# KiCad board pcb.kicad_pcb (continued)
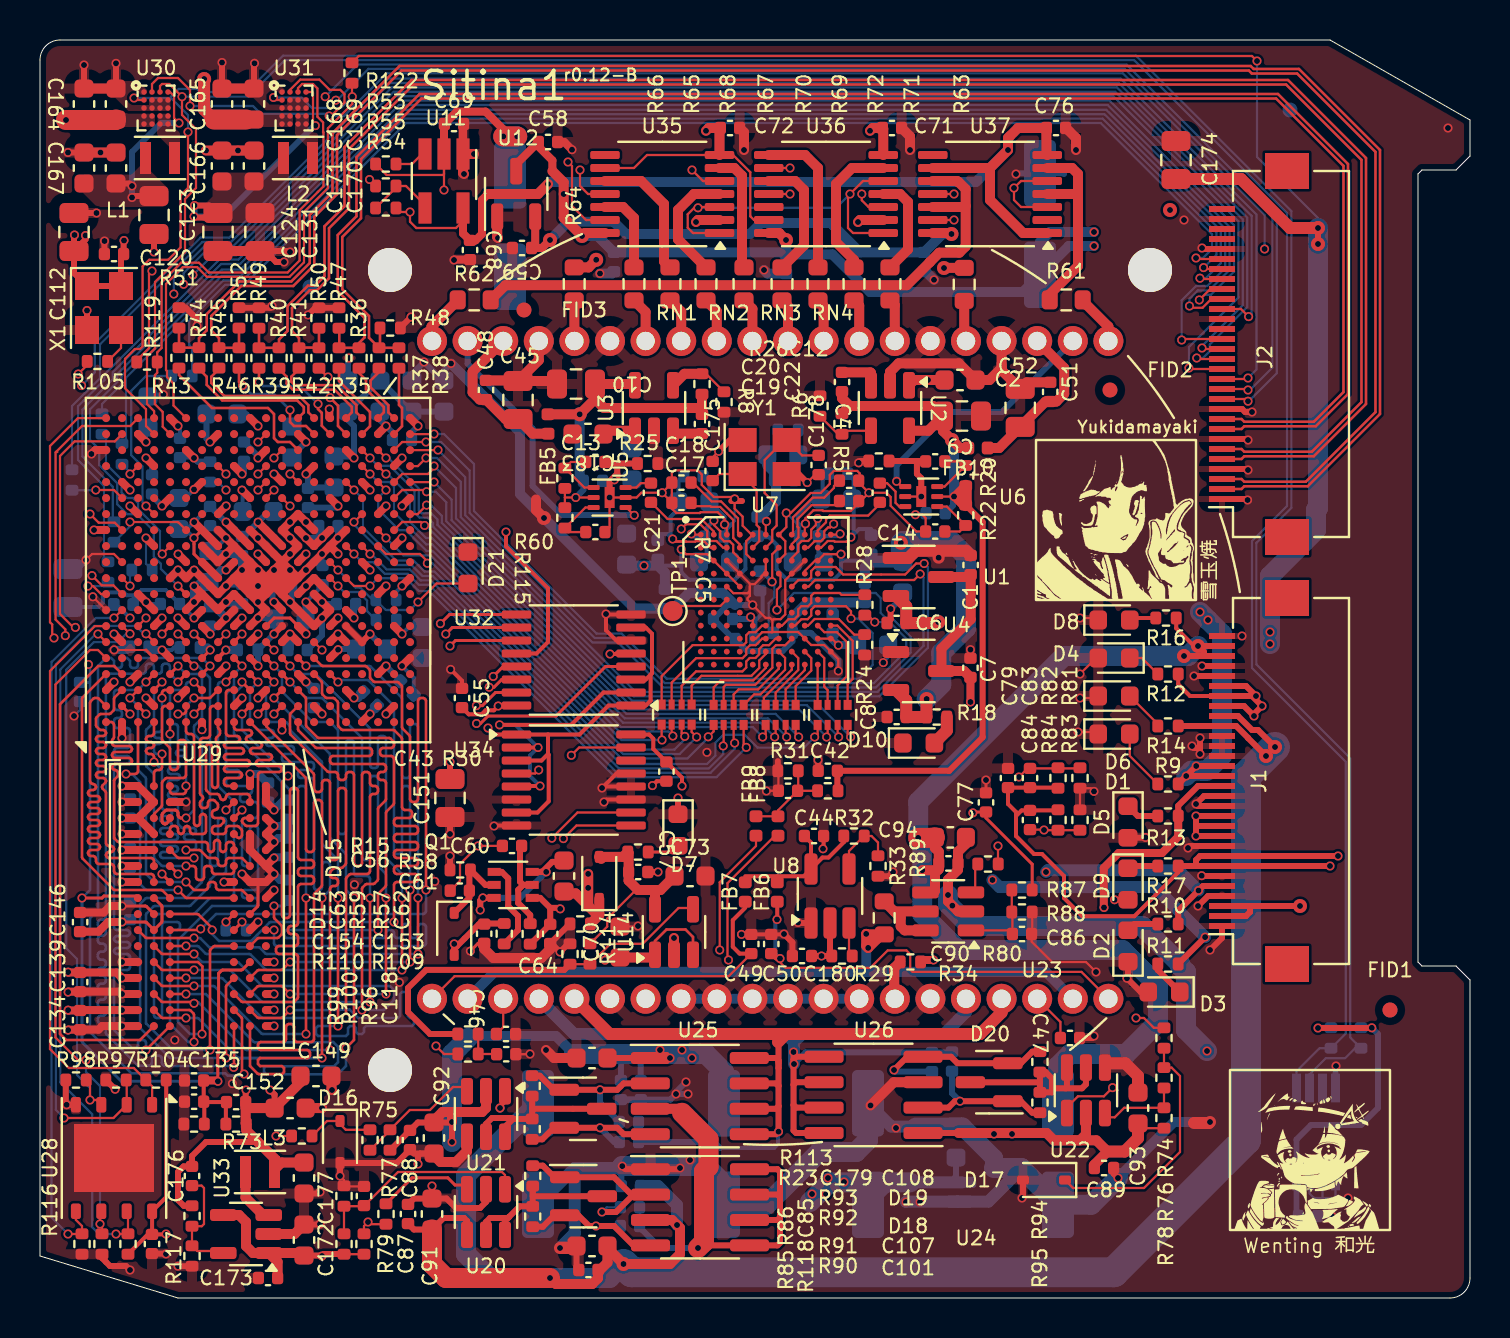
[diagram p0: board, top side]
## Routing (per net, layer and track width the routed paths; a pad name or vN(x,y) marks a point on that pad's centre or on a via; arc(x,y) is an arc through that point) (continued)
/fpga_ddr/DRAM_SDQSP_0: length 17.1
  Top w0.15: 6.5,21.6 v1(6.9,21.2) ; 4.9,29.6 v1(5.3,29.2)
  In2.Cu w0.127: v1(5.3,29.2) 5.04,28.94 arc(5.02,28.91) 5.01,28.87 5.01,22.59 arc(5.02,22.55) 5.04,22.52 5.12,22.44 arc(5.15,22.42) 5.19,22.41 5.4,22.41 arc(5.44,22.42) 5.48,22.44 5.56,22.52 arc(5.58,22.56) 5.59,22.6 5.59,25.41 arc(5.59,25.44) 5.61,25.48 5.82,25.69 arc(5.86,25.71) 5.89,25.71 6.31,25.71 arc(6.34,25.71) 6.38,25.69 6.59,25.48 arc(6.61,25.44) 6.61,25.41 6.61,21.53 arc(6.62,21.49) 6.64,21.46 v1(6.9,21.2)
/fpga_ddr/DRAM_SDQSP_1: length 6.8
  Top w0.127: 8.1,29.6 v1(7.7,29.2)
  Top w0.15: 9.7,24 v1(10.1,24.4)
  In2.Cu w0.127: v1(10.1,24.4) 9.84,24.66 arc(9.82,24.69) 9.81,24.73 9.81,24.79 arc(9.81,24.82) 9.8,24.84 7.43,28.75 arc(7.42,28.77) 7.41,28.8 7.41,28.87 arc(7.42,28.91) 7.44,28.94 v1(7.7,29.2)
/fpga_ddr/DRAM_WEB: length 34.1
  Top w0.127: v1(18.1,16.4) v1(18.1,20) ; 6.5,17.6 v1(7.3,17.6)
  Top w0.15: 12.1,32 v1(12.5,31.6)
  Bottom w0.127: v1(18.1,20) 18.1,21.16 arc(18.09,21.2) 18.07,21.23 17.33,21.97 arc(17.31,22) 17.3,22.04 17.3,27.96 arc(17.29,28) 17.27,28.03 17.23,28.07 arc(17.2,28.09) 17.16,28.1 17.04,28.1 arc(17,28.09) 16.97,28.07 16.93,28.03 arc(16.91,28) 16.9,27.96 16.9,26.64 arc(16.89,26.6) 16.87,26.57 16.83,26.53 arc(16.8,26.51) 16.76,26.5 16.64,26.5 arc(16.6,26.51) 16.57,26.53 16.53,26.57 arc(16.51,26.6) 16.5,26.64 16.5,28.48 13.78,31.2 12.94,31.2 arc(12.9,31.21) 12.87,31.23 v1(12.5,31.6) ; v1(7.3,17.6) 7.86,17.6 arc(7.9,17.59) 7.93,17.57 8.27,17.23 arc(8.3,17.21) 8.34,17.2 10.46,17.2 arc(10.5,17.19) 10.53,17.17 11.27,16.43 arc(11.3,16.41) 11.34,16.4 v1(18.1,16.4)
/fpga_io/PS_SRST_B: length 1.4
  Top w0.1: 4.1,36 v1(4.5,35.6)
  Bottom w0.11: v1(4.5,35.6) 4.5,36.31 R112.2
AFE_RST: length 36.8
  Top w0.11: v1(19.7,43.2) 19.7,43.2 U27.Y19 ; U7.H8 37.75,33.62 38.07,33.94 38.38,33.94 38.56,34.12 38.56,34.42 38.74,34.59 40.29,34.59 40.55,34.33 v1(40.55,33.97)
  Bottom w0.11: v1(40.55,33.97) 40.91,33.97 41.63,33.25 41.63,31.65 40.95,30.97 31.33,30.97 29.08,33.22 27.83,33.22 21.7,39.35 21.7,41.7 20.2,43.2 v1(19.7,43.2)
AFE_SCK: length 45.6
  Top w0.11: v1(19.7,41.6) 19.7,41.5 19.4,41.2 18.11,41.2 U27.W16 ; v1(44.21,36.73) 43.81,36.73 43.26,36.18 40.16,36.18 39.78,36.55 38.76,36.55 38.56,36.35 38.56,36.03 38.43,35.9 37.92,35.9 U7.E8
  Bottom w0.11: v1(44.21,36.73) 44.4,36.54 44.4,32.52 41.97,30.09 29.69,30.09 20.8,38.98 20.8,40.5 v1(19.7,41.6)
AFE_SDATA: length 42.4
  Top w0.11: U27.Y17 18.9,41.6 v1(19.3,42) ; v1(44.01,36.2) 43.71,35.9 38.76,35.9 38.43,35.57 U7.E9
  Bottom w0.11: v1(19.3,42) 19.85,42 21.04,40.81 21.04,39.05 29.78,30.31 41.88,30.31 44.18,32.61 44.18,36.03 v1(44.01,36.2)
AFE_SL: length 42.9
  Top w0.11: v1(19.9,42.4) 19.9,42.4 U27.Y18 ; v3(36.85,34.4) 36.85,35.41 37.02,35.59 37.02,36.14 U7.D7
  Bottom w0.11: v1(19.9,42.4) 21.26,41.04 21.26,39.14 27.62,32.78 28.9,32.78 31.15,30.53 41.79,30.53 43.53,32.27 43.53,33.06 42.58,34.02 42.27,34.02 42.03,34.26 42.03,35 41.78,35.25 37.69,35.25 v3(36.85,34.4)
CCDIN_L: length 12.7
  Top w0.11: v1(42.83,40.83) 43.09,40.57 U6.1
  Bottom w0.3: v1(42.83,40.83) 42.83,41.63 45.5,44.3 48.09,44.3 U10.19
CCDIN_R: length 14.9
  Top w0.11: v1(29.71,39.13) 29.32,39.52 U5.1
  Bottom w0.3: U10.2 21.38,46.72 24.63,43.47 24.63,40.6 26.08,39.15 29.7,39.15 v1(29.71,39.13)
CSI_D2: length 21.4
  Top w0.11: v1(31.1,27.9) 31.08,27.92 RN1.1 ; U27.V16 v1(17.3,40.4)
  Bottom w0.11: v1(17.3,40.4) 16.91,40.01 16.91,39.44 17.96,38.39 18.29,38.39 19.33,37.35 19.63,37.35 29.08,27.9 v1(31.1,27.9)
CSI_D3: length 22.5
  Top w0.11: RN1.2 31.58,28.16 v1(31.64,28.1) ; v1(16.5,41.2) U27.U17
  Bottom w0.11: 31.64,28.12 v1(31.64,28.1) 31.42,28.33 28.96,28.33 19.61,37.68 19.31,37.68 17.7,39.29 17.7,40.57 17.47,40.8 16.9,40.8 v1(16.5,41.2)
CSI_D4: length 21.4
  Top w0.11: U27.V12 17.3,37.2 19,37.2 19.37,36.83 v1(19.37,36.74) ; RN1.4 32.58,28.3 v1(32.83,28.05)
  Bottom w0.11: v1(32.83,28.05) 31.98,27.2 29.16,27.2 19.62,36.74 v1(19.37,36.74)
CSI_D5: length 25.8
  Top w0.11: U27.T16 v1(15.7,40.4) ; RN2.1 33.68,28.33 v1(33.41,28.06)
  Bottom w0.11: v1(15.7,40.4) 16.15,39.95 16.15,38.53 17.81,36.87 18.68,36.87 19.23,36.32 19.72,36.32 29.06,26.98 32.38,26.98 33.41,28.02 v1(33.41,28.06)
CSI_D6: length 25.9
  Top w0.11: v1(34.73,27.75) 34.68,27.8 RN2.3 ; 15.7,37.3 v1(15.7,37.2) U27.T12
  Bottom w0.11: v1(15.7,37.2) 16.11,36.79 16.66,36.79 17.24,36.21 18.39,36.21 18.94,35.66 19.45,35.66 28.85,26.26 33.53,26.26 34.73,27.46 v1(34.73,27.75)
CSI_D7: length 26.3
  Top w0.11: v1(35.31,27.53) 35.18,27.66 RN2.4 ; U27.T10 15.7,35.6 v1(16.5,35.6)
  Bottom w0.11: v1(35.31,27.53) 33.82,26.04 28.76,26.04 19.45,35.35 18.94,35.35 18.3,35.99 16.89,35.99 v1(16.5,35.6)
CSI_D8: length 20.9
  Top w0.11: U27.V13 v1(17.3,38) ; RN1.3 32.08,28.24 v1(32.24,28.08)
  Bottom w0.11: v1(32.24,28.08) 32.24,27.94 31.72,27.42 29.25,27.42 19.54,37.13 18.17,37.13 v1(17.3,38)
CSI_D9: length 36.1
  Top w0.11: 41.36,34.03 R28.2 41.39,34.14 v1(41.74,33.8) ; 19.2,42.8 v1(19.3,42.8) 18.11,42.8 U27.W18
  Bottom w0.11: v1(41.74,33.8) 42.49,33.8 43.31,32.97 43.31,32.36 41.69,30.75 31.24,30.75 28.99,33 27.74,33 21.48,39.26 21.48,41.37 20.05,42.8 v1(19.3,42.8)
CSI_D10: length 26.3
  Top w0.11: U27.V17 v1(17.3,41.2) ; RN3.1 36.28,28.2 v1(36.13,28.05)
  Bottom w0.11: v1(36.13,28.05) 35.64,28.55 29.05,28.55 19.6,38 19.3,38 18.5,38.8 18.5,40.08 17.38,41.2 v1(17.3,41.2)
CSI_D11: length 24.3
  Top w0.11: U27.W13 18.11,38.8 19.05,38.8 v1(19.23,38.63) ; RN3.2 36.78,28.1 v1(36.73,28.05)
  Bottom w0.11: v1(36.73,28.05) 36.02,28.77 29.15,28.77 19.28,38.63 v1(19.23,38.63)
CSI_D12: length 24.4
  Top w0.11: v1(34.16,27.6) 34.18,27.63 RN2.2 ; U27.U12 v1(16.5,37.2)
  Bottom w0.11: v1(34.16,27.6) 34.16,27.2 33.44,26.48 28.94,26.48 19.54,35.88 19.03,35.88 18.48,36.43 17.33,36.43 16.56,37.2 v1(16.5,37.2)
CSI_D13: length 28.5
  Top w0.11: v1(16.5,42) U27.U18 ; v1(37.33,28.05) 37.28,28.1 RN3.3
  Bottom w0.11: v1(37.33,28.05) 36.4,28.99 29.24,28.99 19.65,38.57 19.65,38.75 19.39,39.02 18.98,39.02 18.72,39.28 18.72,40.38 17.49,41.61 16.89,41.61 v1(16.5,42)
CSI_D14: length 28.4
  Top w0.11: v1(17.3,42) U27.V18 ; RN3.4 37.78,28.2 v1(37.93,28.05)
  Bottom w0.11: v1(17.3,42) 17.41,42 18.94,40.47 18.94,39.37 19.07,39.24 19.56,39.24 19.87,38.93 19.87,38.66 29.33,29.21 36.78,29.21 v1(37.93,28.05)
CSI_D15: length 26.7
  Top w0.11: RN4.2 39.38,28.1 v1(39.33,28.05) ; U27.Y14 18.88,39.2 v1(19.33,39.64)
  Bottom w0.11: v1(19.33,39.64) 19.56,39.64 20.09,39.11 20.09,38.75 29.42,29.43 37.96,29.43 v1(39.33,28.05)
CSI_HSYNC: length 28.6
  Top w0.11: RN4.4 40.38,28.2 v1(40.53,28.05) ; v1(19.7,40.8) 19.5,40.8 19.5,40.8 U27.Y16
  Bottom w0.11: v1(19.7,40.8) 20.58,39.92 20.58,38.89 29.6,29.87 38.72,29.87 v1(40.53,28.05)
CSI_PIXCLK: length 30.8
  Top w0.11: v1(38.73,28.05) 38.88,28.2 RN4.1 ; v1(15.7,38.8) 15.71,38.8 U27.U14
  Bottom w0.11: v1(15.7,38.8) 15.7,38.67 17.72,36.65 18.57,36.65 19.12,36.1 19.63,36.1 29.03,26.7 33.35,26.7 33.77,27.12 33.77,27.76 34.17,28.16 35.24,28.16 35.88,27.52 38.2,27.52 v1(38.73,28.05)
CSI_VSYNC: length 28.7
  Top w0.11: v1(39.93,28.05) 39.88,28.1 RN4.3 ; v1(19.33,40.31) 19.24,40.4 18.11,40.4 U27.W15
  Bottom w0.11: v1(19.33,40.31) 19.79,40.31 20.31,39.79 20.31,38.84 29.51,29.65 38.34,29.65 v1(39.93,28.05)
DSI_HS_CKN: length 3.2
  Top w0.127: R37.2 16.95,46.3 16.53,45.88 16.53,45.53 17.42,44.64 17.42,44.28 U27.W20
DSI_HS_CKP: length 3.1
  Top w0.127: U27.V20 17.19,44.28 17.19,44.55 16.3,45.44 16.3,45.9 15.95,46.25 R36.2
DSI_HS_D0N: length 5.3
  Top w0.127: 12.95,46.45 12.56,46.06 12.56,45.82 12.74,45.64 14.82,45.64 15.82,44.65 15.82,44.28 U27.U20
DSI_HS_D0P: length 5.4
  Top w0.127: U27.T20 15.59,44.28 15.59,44.55 14.73,45.42 12.64,45.42 12.34,45.72 12.34,46.06 11.95,46.45 ; 11.9,46.44 11.9,46.49
DSI_HS_D1N: length 6.9
  Top w0.127: 8.95,46.45 8.56,46.06 8.56,45.75 9.21,45.1 12.96,45.1 13.42,44.64 13.42,44.28 U27.P20
DSI_HS_D1P: length 7
  Top w0.127: 7.9,46.45 7.9,46.5 ; U27.N20 13.19,44.28 13.19,44.55 12.86,44.88 9.12,44.88 8.34,45.66 8.34,46.06 7.95,46.45
DSI_LP_CKN: length 3.5
  Top w0.127: R38.2 17.95,44.65 18.1,44.5 18.1,43.59 U27.W19
DSI_LP_CKP: length 4.1
  Top w0.127: R35.2 14.95,45.85 16.5,44.3 16.5,43.59 U27.U19
DSI_LP_D0N: length 3.9
  Top w0.127: U27.T19 14.9,43.6 14.9,44.62 v1(14.5,45.02) ; R42.2 14.39,46.05 v1(14.4,46.05)
  Bottom w0.127: v1(14.5,45.02) 14.4,45.12 v1(14.4,46.05)
DSI_LP_D0P: length 5.9
  Top w0.127: 10.9,46.44 10.9,46.49 ; v1(13.9,44.7) 13.9,44.45 14.09,44.26 14.09,43.61 U27.R19 ; R39.2 v1(10.95,45.8)
  Bottom w0.127: v1(13.9,44.7) 13,45.6 11.15,45.6 v1(10.95,45.8)
DSI_LP_D1N: length 5.9
  Top w0.127: v1(12.5,44.4) 12.5,44.4 12.5,43.8 12.7,43.6 13.3,43.6 U27.P19 ; v1(10.12,45.62) 9.95,45.8 R46.2
  Bottom w0.127: v1(12.5,44.4) 11.7,45.2 10.55,45.2 v1(10.12,45.62)
DSI_LP_D1P: length 8.6
  Top w0.127: U27.N18 12.5,42.8 11.89,42.8 11.7,42.99 11.7,44.2 11.4,44.5 8.6,44.5 6.95,46.15 R43.2 ; 6.9,46.45 6.9,46.5
FDG_CCD: length 36
  Top w0.5: 41.33,18.18 v1(41.31,18.2) 41.31,17.6 v1(41.41,17.5) 42.08,18.18 R89.1 41.33,18.18
  Bottom w0.5: v1(41.31,18.2) 41.31,16.4 41.21,16.3 ; 41.21,16.3 50.29,16.3 U10.22 ; 41.21,16.3 22.72,16.3 U10.39
FPGA_TCK: length 86.1
  Top w0.11: J2.17 57.13,47.95 v1(57.08,47.9)
  Top w0.15: 7.3,35.2 6.9,35.6 v1(6.9,35.6)
  Bottom w0.11: 3.86,46.19 9.08,51.42 10.03,51.42 18.03,59.41 53.31,59.41 59.26,53.46 59.26,51.5 58.36,50.6 57.8,50.6 57.08,49.88 v1(57.08,47.9) ; 3.86,46.19 3.86,46.1 ; 3.86,46.19 3.86,46.1 ; 3.86,46.1 3.86,45.8 2.5,44.44 2.5,42.9 2.96,42.44 2.96,41.64 3.86,40.74 3.86,39.69 4.36,39.19 4.84,39.19 5.69,38.34 5.69,37.07 6.04,36.71 6.04,36.45 v1(6.9,35.6)
FPGA_TDI: length 89.3
  Top w0.11: J2.16 58.15,47.45 v1(58.1,47.5)
  Top w0.15: 8.1,32.8 v1(7.7,33.2)
  In2.Cu w0.11: v1(7.7,33.2) 7.29,33.61 7.29,34.22 3.72,37.79 3.72,46.53 7.18,49.99 v1(7.18,50.69)
  Bottom w0.11: v1(7.18,50.69) 7.18,51.24 8.3,52.36 9.73,52.36 17.68,60.31 53.76,60.31 60.14,53.93 60.14,49.64 58.1,47.6 v1(58.1,47.5)
FPGA_TDO: length 91
  Top w0.11: v1(57.84,47) 57.89,46.95 J2.15
  Top w0.15: 7.3,32.8 v1(6.9,33.2)
  In2.Cu w0.11: v1(6.9,33.2) 6.49,33.61 6.49,34.71 3.5,37.7 3.5,47.01 v1(6.69,50.2)
  Bottom w0.11: v1(6.69,50.2) 6.69,51.06 8.21,52.58 9.64,52.58 17.59,60.53 53.85,60.53 60.36,54.02 60.36,49.55 58.49,47.68 58.49,47.34 58.15,47 v1(57.84,47)
FPGA_TMS: length 93.7
  Top w0.11: J2.14 57.5,46.45 v1(57.45,46.5)
  Top w0.15: 9.7,32.8 v1(10.1,33.2)
  In2.Cu w0.11: v1(7.65,51.15) 7.65,50.15 3.94,46.44 3.94,37.88 7.42,34.4 7.9,34.4 8.1,34.2 8.1,33 8.3,32.8 8.7,32.8 8.91,33.01 8.91,33.42 9.1,33.61 9.69,33.61 v1(10.1,33.2)
  Bottom w0.11: v1(7.65,51.15) 8.63,52.14 9.82,52.14 17.77,60.09 53.67,60.09 59.92,53.84 59.92,50.02 57.45,47.55 v1(57.45,46.5)
H1BINL_CCD: length 1.9
  Top w0.5: U10.5 26.72,49.77
H1BINR_CCD: length 2.1
  Top w0.5: U10.16 46.21,47.94 46.21,49.88
H1BL_CCD: length 2.3
  Top w0.5: R68.2 33.84,49.34 U10.9
H1BR_CCD: length 2.1
  Top w0.5: R69.2 39.18,49.6 U10.12
H1SL_CCD: length 2.3
  Top w0.5: U10.8 32.06,49.32 R65.2
H1SR_CCD: length 2.1
  Top w0.5: R72.2 40.96,49.62 U10.13
H2BL_CCD: length 2.2
  Top w0.5: U10.10 35.62,49.46 R67.2
H2BR_CCD: length 2.2
  Top w0.5: U10.11 37.4,49.58 R70.2
H2SL_CCD: length 2.3
  Top w0.5: R66.2 30.28,49.3 U10.7
H2SR_CCD: length 2.2
  Top w0.5: 42.71,47.88 U10.14 42.74,49.64 R71.2
I2C0_SCL: length 93.1
  Top w0.11: J2.12 60.35,45.45 v1(60.4,45.4) ; U27.B13 3.74,38.77 2.94,38.77 v1(2.5,39.2)
  In2.Cu w0.11: 14.85,59.89 14.79,59.89 14.5,59.6 14.09,59.6 11.07,56.59 4.91,56.59 3.92,55.6 3.92,53.32 3.62,53.01 3.62,49.13 2.52,48.03 2.52,45.51 2.1,45.09 2.1,39.6 v1(2.5,39.2)
  Bottom w0.11: v1(60.4,45.4) 60.5,45.4 61.62,46.52 61.62,54.07 54.23,61.46 16.41,61.46 14.85,59.89 v1(14.79,59.89)
I2C0_SDA: length 98
  Top w0.11: v1(60.4,44.84) 60.29,44.95 J2.11 ; v1(2.6,36.12) 3.09,35.63 3.67,35.63 U27.B9
  In2.Cu w0.11: v1(14.26,60.07) 14.16,60.07 10.9,56.81 4.71,56.81 3.7,55.8 3.7,54.4 2.66,53.37 2.66,52.96 2.44,52.73 1.44,51.74 1.44,38.46 2.69,37.21 2.69,36.74 2.6,36.65 v1(2.6,36.12)
  Bottom w0.11: v1(14.26,60.07) 15.87,61.68 54.32,61.68 61.84,54.16 61.84,46.24 60.44,44.84 v1(60.4,44.84)
I2C_PL0_SCL: length 130.7
  Top w0.11: U27.D19 5.3,43.6 5.3,44.44 4.25,45.49 4.25,46.96 4.74,47.45 5,47.45 5.13,47.58 5.13,51.58 5.46,51.91 6.41,51.91 7.03,52.53 7.03,55.13 7.4,55.5 v1(7.4,58.3) ; U30.B1 4.8,59.9 v1(4.7,60)
  Bottom w0.11: 6.55,60 6.55,60.07 6.94,60.46 7.84,60.46 8,60.3 10.34,60.3 12.15,62.12 54.8,62.12 62.57,54.34 62.57,39.51 60.82,37.76 60.82,31.68 65.51,26.99 65.51,13.03 R120.2 ; 6.55,60 7.4,59.15 v1(7.4,58.3) ; 6.55,60 v1(4.7,60) ; U9.2 63.47,11.18 64.29,11.99 65.25,11.99 65.75,12.49
I2C_PL0_SDA: length 126.2
  Top w0.11: U27.D20 5.7,44.35 5.35,44.7 5.35,47.08 5.75,47.48 5.75,50.8 7.25,52.3 7.25,54.95 7.8,55.5 7.8,58.45 7.1,59.15 v1(7.1,60.07) 6.47,60.7 6.1,60.7 6,60.6 U30.A3
  Bottom w0.11: v1(7.1,60.07) 10.41,60.07 12.25,61.9 54.71,61.9 62.35,54.25 62.35,39.6 60.6,37.85 60.6,31.5 65.29,26.81 65.29,13.23 R121.2 63.98,12.49 62.82,11.34 62.82,10.5
I2C_PL1_SCL: length 29.7
  Top w0.11: R122.2 15.6,60.08 v1(15.61,60.07) 15.61,59.7 14.39,58.48 14.39,55.49 13.2,54.3 13.2,51.78 12.47,51.06 8.34,51.06 7.86,51.54 7.14,51.54 6.3,50.7 6.3,46.4 6.35,46.35 6.35,46.05 6.68,45.72 6.68,44.63 U27.F20 ; U31.B1 11.8,59.9 v1(11.68,60.03)
  Bottom w0.11: v1(11.68,60.03) 13.07,60.03 13.6,59.5 15.05,59.5 v1(15.61,60.07)
I2C_PL1_SDA: length 26.4
  Top w0.11: U27.E19 6.13,43.57 6.13,44.3 5.74,44.69 5.74,46.14 5.86,46.26 R119.2 5.86,47.28 6.08,47.5 6.08,50.79 7.05,51.76 7.95,51.76 8.44,51.28 12.38,51.28 12.98,51.87 12.98,54.39 14.17,55.59 14.17,58.28 14.15,58.3 14.16,58.31 14.16,58.78 13.87,59.06 13.87,60.48 13.65,60.7 13.11,60.7 12.9,60.49 U31.A3
MIPI_CKN: length 82.5
  Top w0.127: J2.9 60.08,43.95 60.21,43.81 63.69,43.81 65.17,45.29 65.17,56.61 61.81,59.97 19.07,59.97 16.05,56.95 16.05,53.99 15.11,53.05 15.11,50.44 16.45,49.1 16.45,48.01 R37.1 ; R38.1 R37.1 ; R37.1 17,47.56 R48.2 17,48.55
MIPI_CKP: length 83.4
  Top w0.127: 14.96,48.49 14.96,47.51 15.96,47.51 ; R36.1 15.95,47.75 16.22,48.02 16.22,49.01 14.89,50.34 14.89,53.15 15.82,54.08 15.82,57.04 18.98,60.2 61.9,60.2 65.4,56.7 65.4,45.2 63.79,43.59 60.21,43.59 60.08,43.45 J2.8
MIPI_D0N: length 87.1
  Top w0.127: J2.6 60.08,42.45 60.21,42.31 63.59,42.31 66.07,44.79 66.07,56.91 62.31,60.67 18.67,60.67 15.45,57.45 15.45,54.49 14.45,53.49 14.45,50.99 13.85,50.39 13.49,50.39 12.6,49.5 12.6,48.35 12.95,48 12.95,47.52 13.95,47.52 13.95,48.5
MIPI_D0P: length 88.3
  Top w0.127: R49.2 R39.1 R40.1 11.95,47.93 12.37,48.35 12.37,49.59 13.39,50.61 13.75,50.61 14.22,51.08 14.22,53.58 15.22,54.58 15.22,57.54 18.58,60.9 62.4,60.9 66.3,57 66.3,44.7 63.69,42.09 60.21,42.09 60.08,41.95 J2.5
MIPI_D1N: length 94
  Top w0.127: R52.2 R46.1 8.96,47.51 R45.1 8.95,48 8.56,48.38 8.56,49.1 10.06,50.6 12.66,50.6 13.71,51.65 13.71,54.05 14.85,55.19 14.85,58.15 18.07,61.37 60.44,61.37 60.59,61.22 62.85,61.22 66.77,57.31 66.77,44.29 63.29,40.81 60.21,40.81 60.08,40.95 J2.3
MIPI_D1P: length 95.2
  Top w0.127: J2.2 60.08,40.45 60.21,40.59 63.39,40.59 67,44.2 67,57.4 62.95,61.45 60.68,61.45 60.54,61.6 17.98,61.6 14.62,58.24 14.62,55.28 13.49,54.15 13.49,51.75 12.57,50.83 9.97,50.83 8.34,49.2 8.34,48.38 7.95,48 R44.1 R43.1 R51.2
PS_POR_B: length 92.1
  Top w0.11: J2.13 60.35,45.95 v1(60.4,46) ; U27.C7 4.9,33.6 v1(5.3,34)
  In2.Cu w0.11: v1(2.08,45.62) 2.08,45.38 1.88,45.18 1.88,38.64 2.12,38.4 2.13,38.4 3.4,37.13 3.4,35.93 5.3,34.02 v1(5.3,34)
  Bottom w0.11: v1(60.4,46) 60.82,46.43 60.82,54.18 54.03,60.97 17.41,60.97 9.46,53.02 8.03,53.02 2.74,47.73 2.74,46.28 v1(2.08,45.62)
QSPI_DATA0: length 35.5
  Top w0.11: U27.B8 4.1,34.4 v1(3.7,34) ; U28.5 1.79,3.91 2.1,3.6 R99.2 2.09,3.2 v1(1.4,3.2)
  Bottom w0.11: v1(3.7,34) 2.79,34 0.6,31.81 0.57,31.81 0.57,4.03 v1(1.4,3.2)
QSPI_DATA1: length 33.6
  Top w0.11: R97.2 4.34,10.88 4.34,9.66 3.67,9 v1(1.2,9) ; v1(5.3,33.21) 5.7,32.81 U27.D6
  Bottom w0.11: v1(1.2,9) 0.79,9.41 0.79,31.69 2.7,33.6 4.8,33.6 5.19,33.21 v1(5.3,33.21)
QSPI_DATA2: length 28.2
  Top w0.11: U28.3 2.83,9.9 v1(2.5,9.9) 2.5,10.71 R98.2 ; v1(4.5,33.21) 4.12,33.6 U27.B7
  Bottom w0.11: v1(4.5,33.21) 4.31,33.21 3.9,32.8 2.7,32.8 1.31,31.41 1.31,17.49 1.85,16.95 1.85,11.15 2.5,10.5 v1(2.5,9.9)
QSPI_DATA3: length 34.8
  Top w0.11: v1(3.8,3.2) 4.39,3.2 R96.2 4.4,4.27 4.34,4.34 ; U27.A6 v1(2.9,33.2)
  Bottom w0.11: v1(3.8,3.2) 2.95,3.2 2.61,3.54 2.61,9.19 1.01,10.79 1.01,31.43 2.79,33.2 v1(2.9,33.2)
QSPI_SCLK: length 32.7
  Top w0.11: U27.A5 2.9,32.4 2.5,32.4 0.77,30.67 0.77,13.03 1.9,11.9 v1(2.3,11.9) ; U28.6 3,4.27 v1(3,3.7) 3.1,3.6 R100.2
  Bottom w0.11: v1(2.3,11.9) 2.3,11.3 3,10.6 v1(3,3.7)
QSPI_SS0: length 29.4
  Top w0.11: U28.1 5.6,10.59 R104.2 4.69,11.5 1.45,11.5 0.5,12.45 0.5,31.35 2.74,33.6 U27.A7
RL_CCD: length 2.6
  Top w0.5: 20.88,49.88 19.57,48.57 19.57,47.85
RR_CCD: length 2.6
  Top w0.5: U10.20 53.42,48.57 52.11,49.88
SDIO_CLK: length 63.4
  Top w0.11: J2.25 57.85,51.95 v1(57.8,52)
  Bottom w0.11: R123.2 7.61,47.5 7.46,47.65 7.46,48.86 9.26,50.66 10.22,50.66 10.72,51.17 10.72,51.18 18.3,58.75 53.04,58.75 58.6,53.19 58.6,52.45 58.15,52 v1(57.8,52)
SDIO_CMD: length 68.6
  Top w0.11: v1(58.18,51.52) 58.25,51.45 J2.24
  Bottom w0.11: v1(58.18,51.52) 58.82,52.16 58.82,53.28 53.13,58.97 18.21,58.97 10.46,51.22 10.46,51.21 10.13,50.88 9.17,50.88 4.3,46.01 4.3,42.91 R124.2
SDIO_DAT0: length 69.2
  Top w0.11: J2.23 58.04,50.95 v1(58,50.99)
  Bottom w0.11: v1(58,50.99) 58.29,50.99 59.04,51.74 59.04,53.37 53.22,59.19 18.12,59.19 10.24,51.31 10.24,51.3 10.03,51.1 9.08,51.1 4.08,46.1 4.08,45.68 3.1,44.7 R125.2
SDIO_DAT1: length 81.3
  Top w0.11: v1(57.97,49.9) 58.51,50.45 J2.22
  Bottom w0.11: v1(57.97,49.9) 58.22,50.16 58.54,50.16 59.7,51.32 59.7,53.64 53.47,59.87 17.86,59.87 9.91,51.92 8.96,51.92 3.22,46.18 3.22,45.9 2.19,44.87 2.18,44.87 1.9,44.59 1.9,41.9 3.2,40.6 3.2,37.01 R126.2
SDIO_DAT2: length 79.6
  Top w0.11: v1(57.47,49.6) 57.56,49.51 58.13,49.51 58.56,49.95 J2.21
  Bottom w0.11: R127.2 3.64,38.87 3.64,40.56 2.12,42.08 2.12,44.42 3.64,45.94 3.64,46.28 9.06,51.7 10.01,51.7 17.96,59.65 53.38,59.65 59.48,53.55 59.48,51.41 58.45,50.38 57.89,50.38 57.47,49.96 v1(57.47,49.6)
SDIO_DAT3: length 79.2
  Top w0.11: J2.20 60.05,49.45 v1(60.43,49.07)
  Bottom w0.11: v1(60.43,49.07) 60.58,49.22 60.58,54.11 53.94,60.75 17.5,60.75 9.55,52.8 8.12,52.8 3,47.68 3,45.99 2.24,45.23 2.23,45.23 1.6,44.6 R128.2
TCON_FDG: length 54.1
  Top w0.11: v1(47.9,22.6) 47.9,21.71 R80.1 ; v1(10.9,42.8) 11.3,43.2 U27.L19
  In2.Cu w0.11: v1(47.9,22.6) 41.3,22.6 40.7,22 28,22 21.17,28.83 21.17,38.04 19.96,39.25 19.17,39.25 18.94,39.48 18.94,41.71 18.26,42.39 14.69,42.39 14.65,42.35 14.6,42.4 11.3,42.4 v1(10.9,42.8)
TCON_H1: length 17.6
  Top w0.11: U27.N16 v1(12.5,41.2)
  Top w0.15: U32.10 20.62,33.53 v1(20.29,33.2)
  In2.Cu w0.11: v1(20.29,33.2) 20.41,33.32 20.46,33.32 20.46,36.53 18.23,38.76 16.65,38.76 14.61,40.8 12.9,40.8 v1(12.5,41.2)
TCON_H1BR: length 29.1
  Top w0.11: U34.9 26.82,23.62 v1(26.17,22.97) ; v1(11.7,40.4) 11.3,40 U27.L15
  In2.Cu w0.11: v1(11.7,40.4) 11.88,40.22 13.6,40.22 13.6,40.21 15.69,38.12 16.49,38.12 19.51,35.1 19.51,31.9 20.73,30.68 20.73,28.41 v1(26.17,22.97)
TCON_H2: length 18.7
  Top w0.11: U27.L17 11.3,41.6 v1(10.9,41.2)
  Top w0.15: v1(20.02,33.72) 20.47,34.18 U32.9
  In2.Cu w0.11: v1(10.9,41.2) 11.3,40.8 12.5,40.8 12.8,40.5 14.6,40.5 16.56,38.54 18.14,38.54 20.2,36.48 20.2,33.9 v1(20.02,33.72)
TCON_H2BR: length 30.4
  Top w0.11: v1(25.59,22.99) 26.88,24.28 U34.10 ; v1(10.9,40.4) 11.3,40.8 U27.L16
  In2.Cu w0.11: v1(25.59,22.99) 25.59,23.23 20.51,28.32 20.51,30.59 19.29,31.81 19.29,35.01 16.4,37.9 15.6,37.9 13.5,40 12.1,40 12,39.9 11.4,39.9 v1(10.9,40.4)
TCON_RG: length 22.4
  Top w0.11: U27.H17 v1(9.3,41.2)
  Top w0.15: v1(20.5,32.6) 20.78,32.88 U32.11
  In2.Cu w0.11: v1(9.3,41.2) 9.71,41.61 14.69,41.61 15.51,40.79 17.59,40.79 18.28,40.1 18.3,40.1 18.5,39.9 18.5,38.8 20.68,36.62 20.68,32.78 v1(20.5,32.6)
TCON_STROBE: length 26.5
  Top w0.11: U27.M15 v1(12.5,39.6) ; C61.2 21,20.86 21,21.7 v1(21.9,22.6) C60.2
  In2.Cu w0.11: v1(12.5,39.6) 13.36,39.6 14.51,38.45 14.51,35.3 14.81,35.01 15.69,35.01 20.29,30.41 20.29,28.01 21.9,26.4 v1(21.9,22.6)
TCON_V1: length 66.6
  Top w0.11: v1(54.8,14) 55.2,14 55.69,13.51 R74.1 ; v1(11.7,42) 12.1,42.4 U27.M18
  In2.Cu w0.11: v1(54.8,14) 54.8,20.2 53.22,21.78 27.91,21.78 20.95,28.74 20.95,37.95 19.88,39.02 19.07,39.02 18.72,39.36 18.72,40.58 17.71,41.59 15.09,41.59 14.69,42 v1(11.7,42)
TCON_V2: length 49.1
  Top w0.11: R73.1 v1(11.8,8.1) ; U27.C20 4.51,43.6 2.1,43.6 0.83,42.33 0.86,42.3 0.8,42.3 0.78,42.28 0.78,33.92 1.27,33.43 v1(1.27,33.12)
  In2.Cu w0.11: v1(1.27,33.12) 1.27,32.88 0.78,32.39 0.78,11.82 1.52,11.08 2.26,11.08 5.23,8.1 v1(11.8,8.1)
TCON_V23: length 55.1
  Top w0.11: R79.1 16.51,3.69 v1(16.4,3.8) 16.2,3.6 R118.1 ; U27.A20 1.9,44 0.5,42.6 0.5,33.79 0.61,33.68 0.61,33.09 v1(0.7,33)
  In2.Cu w0.11: v1(0.7,33) 0.56,32.86 0.56,11.73 1.43,10.86 2.16,10.86 5.14,7.88 10.82,7.88 11,7.7 12.5,7.7 v1(16.4,3.8)
VAB_PWM: length 58.9
  Top w0.11: R23.2 20.2,12.2 v1(19.8,12.6) ; U27.B19 3.74,42.83 1.73,42.83 1,42.1 1,34.2 1.67,33.53 v1(1.77,33.53)
  In2.Cu w0.11: v1(1.77,33.53) 1.77,33.07 1,32.3 1,12 1.7,11.3 2.34,11.3 5.04,8.6 18.2,8.6 19.8,10.2 v1(19.8,12.6)
VSUB_CCD: length 12.6
  Top w0.5: 27.96,19.2 27.81,19.2 27.36,19.65 ; 27.96,19.2 D15.1 ; 27.96,19.2 27.96,19.15 R60.1 ; 27.36,19.65 26.78,20.23 26.21,20.23 ; 27.36,19.65 27.41,19.7 v1(27.41,21.2)
  In3.Cu w0.5: v1(27.41,21.2) 27.41,19.5 28.71,18.2 28.71,17.38 30.28,15.81 U10.34
  vias: v1(27.41,20.5)
Net-(C43-Pad1): length 4.8
  Top w0.11: C43.1 36.9,24.38 FB8.1 FB9.1 ; C43.1 R30.2 ; C43.1 37.91,25.39 R31.1
Net-(C179-Pad2): length 1.9
  Top w0.11: C179.2 22.82,12.2 R23.1 R113.2
Net-(D1-A): length 3.1
  Top w0.11: R9.1 54.49,27.1 D1.2
Net-(D2-A): length 1.6
  Top w0.3: D2.2 54.71,18.7 R10.1
Net-(D3-K): length 1.9
  Top w0.3: D3.1 55.89,16.4 R11.1
Net-(D4-K): length 1.7
  Top w0.11: R12.1 55.09,32 D4.1
Net-(D5-K): length 1.7
  Top w0.3: R13.1 54.89,24.1 D5.1
Net-(D6-A): length 2.1
  Top w0.11: D6.2 55.89,28.7 R14.1
Net-(D7-A): length 1.6
  Top w0.15: 31.9,22.6 31.6,22.3 R15.1
Net-(D8-A): length 1.3
  Top w0.2: D8.2 54.59,34 R16.1
Net-(D9-K): length 1.5
  Top w0.3: D9.1 54.51,21.6 R17.1
Net-(D10-A): length 1.6
  Top w0.6: R18.1 45.34,28.37 D10.2
Net-(D14-K): length 3.9
  Top w0.3: Q1.2 22.27,20.65 R58.1 ; 21.47,21.35 C61.1 21.47,20.01 D14.1
Net-(D16-K): length 3.5
  Top w0.11: R73.2 14.35,8.85 D16.1 15,8.7 15.29,8.41 R75.1
Net-(D17-K): length 12.4
  Top w0.11: R74.2 R76.1 56.58,11.52 57,11.1 57,7.3 55.2,5.5 51.65,5.5 D17.1
Net-(D18-A): length 10.3
  Top w0.3: R91.1 25.14,6.62 25.72,6.04 28.7,6.04 29.57,5.17 U24.2 29.67,5.17 28.8,4.3 v1(28.1,4.3)
  Bottom w0.11: C96.1 28.34,4.54 v1(28.1,4.3)
Net-(D18-K): length 8
  Top w0.3: U24.4 29.67,2.63 28.7,3.6 v1(27.8,3.6) 27.45,3.6 26.91,4.14 D18.2 25.72,4.14 25.14,3.56 R90.2
  Bottom w0.11: 29.02,3.65 27.85,3.65 v1(27.8,3.6)
Net-(D19-A): length 8.3
  Top w0.3: R93.1 24.99,11.11 25.69,10.41 D19.1 v1(28,10.41) 28.86,10.41 29.18,10.73 U25.2
  Bottom w0.3: C98.1 28,9.77 v1(28,10.41)
Net-(D19-K): length 7.5
  Top w0.3: R92.2 25.11,7.93 25.69,8.51 D19.2 v1(28,8.51) 28.86,8.51 29.18,8.19 U25.4
  Bottom w0.3: C97.2 28.71,7.8 v1(28,8.51)
Net-(D20-A): length 7.9
  Top w0.3: U26.2 45.42,9.52 45.74,9.84 v1(46,9.84) D20.1 49.04,9.84 49.62,9.26 R95.1
  Bottom w0.3: C100.1 45.6,10.24 v1(46,9.84)
Net-(D20-K): length 9.9
  Top w0.3: R94.2 49.62,12.32 49.04,11.74 D20.2 45.87,11.74 45.55,12.06 U26.4 43.36,12.06 v1(42.7,11.4)
  Bottom w0.3: v1(42.7,11.4) 42.78,11.32 C99.2
Net-(Q1A-C1): length 7.7
  Top w0.3: 26.21,21.78 26.18,21.8 25.61,21.8 25.11,21.3 25.01,21.3 ; Q1.6 25.01,21.3 ; 25.01,21.3 v1(25.31,21.3) ; v1(22.01,19.4) 22.01,19.87 v1(22.14,20) Q1.3
  Bottom w0.3: v1(22.01,19.4) 22.01,19.87 v1(22.14,20) 24.01,20 v1(25.31,21.3)
Net-(Q1A-E1): length 4.6
  Top w0.3: R59.1 23.9,18.4 23.9,19.1 23.41,19.59 23.41,20.98 23.08,21.3 Q1.1
Net-(Q1B-B2): length 4.8
  Top w0.3: 24.16,20.65 24,20.81 24,22.58 24.03,22.6 ; 24.16,20.65 23.91,20.4 23.91,19.75 24.51,19.15 R57.2 ; 24.16,20.65 Q1.5
Net-(U2-ADJ): length 3
  Top w0.11: U2.4 40.27,43.36 R5.2 39.9,43.19 R6.1
Net-(U2-BYP): length 2.1
  Top w0.5: C4.1 41.52,46.28 41.55,46.25 U2.3
Net-(U3-ADJ): length 3.2
  Top w0.11: R7.2 33.3,46.21 R8.1
  Top w0.5: R7.2 32.22,46.21 U3.4
Net-(U3-BYP): length 1.5
  Top w0.5: U3.3 31.79,43.22 C5.1
Net-(U5-IDRV): length 3
  Top w0.11: U5.4 27.22,40.52 R21.2 26.55,41.8 C13.1
Net-(U5-ISF): length 3
  Top w0.11: U5.6 27.27,39.52 R19.2 26.45,38.3 C11.1
Net-(U5-OUT): length 1.4
  Top w0.11: U5.3 29.82,40.52 30.04,40.74 C21.2 30.55,40.75
Net-(U6-IDRV): length 3
  Top w0.11: U6.4 45.34,39.57 R22.2 45.98,38.32 C14.1
Net-(U6-ISF): length 3
  Top w0.11: U6.6 45.23,40.57 R20.2 46.08,41.83 C12.1
Net-(U6-OUT): length 2.1
  Top w0.11: U6.3 42.96,39.57 42.78,39.76 42.78,40.32 42.35,40.74 41.93,40.74
Net-(U7-CCDIN_A): length 3.9
  Top w0.11: C21.1 31.38,38.95 33.07,38.95 33.69,38.33 U7.A2
Net-(U7-CCDIN_B): length 4
  Top w0.11: C22.1 41.99,39.7 41.41,39.12 39.49,39.12 39.3,38.93 39.3,38.79 38.88,38.37 38.88,38.18
Net-(U7-CLIVDD): length 5
  Top w0.11: U7.A6 36.29,38.8 v3(36.32,38.83)
  Bottom w0.11: FB4.2 36.09,39.06 v3(36.32,38.83)
  Bottom w0.5: C37.1 36.37,41.63 36.72,41.27 C36.1 36.8,40.81 36.8,39.82 36.04,39.06 FB4.2
Net-(U7-CLO): length 8.2
  Top w0.11: U7.B6 36.61,37.84 36.61,38.4 36.83,38.62 36.83,39.65 36.23,40.25 36.23,41.9 37.23,42.9 ; C178.2 38.1,42.13 Y1.3
Net-(U7-LDOIN_A): length 7.2
  Top w0.11: 32.29,37.82 31.69,37.82 ; 32.29,37.82 31.76,37.82 v1(31.63,37.95) ; 32.29,37.82 32.3,37.81 32.76,37.81 32.78,37.84 33.2,37.84 33.52,37.52 U7.B2
  Bottom w0.2: C38.1 31.92,40.82 C39.1 31.92,39.45 31.53,39.06 31.53,38.05 v1(31.63,37.95) 31.39,38.19 30.89,38.19
Net-(U7-LDOIN_B): length 6.4
  Top w0.11: U7.B10 39.06,37.52 39.39,37.85 39.7,37.85 39.74,37.81 40.32,37.81 v1(40.54,38.04)
  Bottom w0.2: 41.56,38.45 40.95,38.45 v1(40.54,38.04) 40.68,38.18 40.68,40.92 C40.1
Net-(U7-REFB_A): length 3.9
  Top w0.11: C18.1 32.64,40.77 33.58,39.83 34.05,39.83 34.9,38.98 34.9,38.26 U7.A4
Net-(U7-REFB_B): length 4.1
  Top w0.11: 40.02,40.75 39.84,40.75 39.7,40.6 39.7,40.51 39.21,40.02 38.63,40.02 37.65,39.03 37.65,38.21 37.59,38.14
Net-(U7-REFT_A): length 4
  Top w0.11: C17.1 32.71,39.59 33.52,39.59 33.56,39.55 34.01,39.55 34.35,39.21 34.35,39.21 34.66,38.9 34.66,38 34.99,37.68 U7.B4
Net-(U7-REFT_B): length 4.1
  Top w0.11: 37.59,37.49 37.59,37.69 37.92,38.03 37.92,38.52 37.87,38.57 37.87,38.94 38.58,39.65 39.94,39.65 40.02,39.73
Net-(U7-SYNC): length 3.5
  Top w0.11: U7.H9 38.4,33.62 38.73,33.95 39.93,33.95 40.71,33.17 R24.2
Net-(U7-TCVDD): length 5.5
  Top w0.11: U7.B7 36.61,37.19 36.61,36.05 36.6,36.04 v3(36.6,35.81)
  Bottom w0.11: C28.2 36.43,33.48 36.43,34.75 36.72,35.03 36.72,35.7 v3(36.6,35.81)
  Bottom w0.2: FB1.1 36.07,36.34 v3(36.6,35.81)
Net-(U7-XV1): length 2.9
  Top w0.11: U7.F3 34.02,34.6 31.88,34.6 TP1.1
Net-(U8-EN): length 1.7
  Top w0.11: U8.3 40.45,17.26 R29.2
Net-(U8-NR/FB): length 3.5
  Top w0.11: R33.1 41.9,22.78 41.57,23.1 R32.2 41.2,23.1 40.45,22.35 U8.4
Net-(U10-ESD): length 2
  Top w0.5: U10.27 42.71,14.99 42.71,16.5 R34.2
Net-(U11-EN): length 1.7
  Top w0.11: R53.2 18.6,56.7 19.25,57.35
Net-(U11-NR/FB): length 3.4
  Top w0.11: 19.25,54.65 18.3,55.6 R55.1 17.8,55.52 R54.2
Net-(U14-ADJ): length 20.1
  Top w0.11: U14.4 32.59,19.5 31.92,19.5 30.13,17.71 28.52,17.71 R114.1 R115.2
  Top w0.3: R113.1 19.5,13.2 18.4,14.3 18.4,15.5 19.3,16.4 26.21,16.4 R115.2
Net-(U20-IN+): length 4.7
  Top w0.15: 21.35,5.65 20.75,5.65 20.39,6.01 18.6,6.01 R79.2
Net-(U20-IN-): length 10.9
  Top w0.11: U20.1 23.25,6.15 23.1,6.3 17.9,6.3 16.22,4.62 C85.2 16.17,4.59 R86.2 R85.1
Net-(U21-IN+): length 6.2
  Top w0.11: 21.35,10.55 20.65,10.55 19.5,9.4 18.49,9.4 R77.2 17.5,8.39 R75.2
Net-(U21-IN-): length 57.7
  Top w0.11: R81.1 51.97,26.48 C83.2 49.38,26.48 v1(48.95,26.05) ; v3(23,9.5) 23.25,9.75 23.25,10.55
  In2.Cu w0.11: v3(23,9.5) 23,11.25 25.45,13.7 54.55,13.7 54.64,13.61 55.01,13.61 55.7,14.3 55.7,19.99 52.79,22.9 48.8,22.9 48.2,23.5 48.2,25.3 v1(48.95,26.05)
Net-(U22-IN+): length 4.1
  Top w0.11: R76.2 R78.2 54.21,9.51 53.73,9.03 53.25,9.03
Net-(U22-IN-): length 24.1
  Top w0.11: C84.2 50.18,23.42 v1(50.2,23.4) 50.21,23.39 R84.2 R83.1 ; 51.35,9.03 51.35,9.53 51.9,10.08 53.19,10.08 v1(53.63,10.52)
  In2.Cu w0.11: v1(50.2,23.4) 53.2,23.4 56.4,20.2 56.4,13.99 53.63,11.22 v1(53.63,10.52)
Net-(U23-IN+): length 1.5
  Top w0.11: 46.76,20.28 46.76,21.57 R80.2
Net-(U23-IN-): length 4.4
  Top w0.11: R87.1 R88.2 48.59,19.11 48.62,19.08 C86.2 48.44,18.38 U23.1
Net-(U23-OUT_SNK): length 4
  Top w0.5: 44.06,18.38 43.23,18.38 43.03,18.58 43.03,19 42.71,19.33 ; 42.71,19.33 R89.2 ; 42.71,19.33 44.06,19.33
Net-(U25-SP): length 26
  Top w0.3: 37,5.04 37,6.31 36.87,6.44 U24.8 ; 37,5.04 37,4.03 ; 37,5.04 36.87,5.17 U24.7 ; 37,4.03 36.87,3.9 U24.6 ; 37,4.03 37,2.76 36.87,2.63 U24.5 33.03,2.63 v2(32.9,2.5)
  Top w0.5: U25.3 31.9,9.46 32.1,9.26
  Top w1: v2(32.9,2.5) 33.2,2.8 33.2,6.33 33.43,6.56 33.43,7.94 32.1,9.26
  Bottom w0.11: 29.98,3.65 C96.2
  Bottom w0.3: 29.98,3.65 29.98,3.53 31.01,2.5 v2(32.9,2.5)
Net-(U27F-PS_MIO40_501): length 9
  Top w0.11: 5.7,39.2 v1(5.3,39.6)
  Bottom w0.11: v1(5.3,39.6) 5.12,39.78 5.12,41.58 4.56,42.14 4.56,45.36 5.3,46.1 R123.1
Net-(U27F-PS_MIO41_501): length 1.2
  Top w0.11: U27.C17 4.9,41.6 v1(4.5,41.2)
  Bottom w0.11: R124.1 4.5,41.29 v1(4.5,41.2)
Net-(U27F-PS_MIO42_501): length 8
  Top w0.11: v1(6.11,37.2) 6.11,37.2 U27.E12
  Top w0.15: v1(6.11,37.2) 6.12,37.21 6.12,37.22 arc(6.12,37.22) 6.13,37.23
  Bottom w0.11: R125.1 3.3,42.99 3.3,41.7 4.08,40.92 4.08,40.27 4.35,40 4.65,40 4.91,39.75 4.91,39.44 6,38.35 6,37.31 v1(6.11,37.2)
Net-(U27F-PS_MIO43_501): length 2.3
  Top w0.11: v1(2.4,35.6) 2.65,35.6 3.05,35.2 U27.A9
  Bottom w0.11: v1(2.4,35.6) 2.7,35.6 ; 2.7,35.6 2.82,35.6 ; 2.7,35.6 3.21,35.6 R126.1
Net-(U27F-PS_MIO44_501): length 4.4
  Top w0.11: v1(4.5,38.8) 6.88,38.8 arc(6.91,38.79) 6.93,38.77 7.3,38.4
  Bottom w0.11: R127.1 4.5,38.59 v1(4.5,38.8) 4.44,38.8
Net-(U27F-PS_MIO45_501): length 2.7
  Top w0.11: v1(2.79,40.4) 3.7,40.4 U27.B15
  Bottom w0.11: v1(2.79,40.4) 2.78,40.39 R128.1
Net-(U27G-PS_DDR_VRN_502): length 1.1
  Top w0.15: U27.G5 8.5,32.4 v1(8.5,32.4)
  Bottom w0.4: v1(8.5,32.4) 8.38,32.53 R108.2
Net-(U27G-PS_DDR_VRP_502): length 1.1
  Top w0.2: 8.9,32 9.31,32.41 9.34,32.41
  Bottom w0.4: R107.2 9.34,32.41
  vias: v1(9.29,32.4)
Net-(U29-ZQ): length 3.9
  Top w0.127: v1(11.7,19.6) 11.7,19.04 arc(11.71,19) 11.73,18.97 12.07,18.63 arc(12.09,18.6) 12.1,18.56 12.1,18.24 arc(12.09,18.2) 12.07,18.17 11.93,18.03 arc(11.9,18.01) 11.86,18 10.94,18 arc(10.9,17.99) 10.87,17.97 10.5,17.6
  Bottom w0.15: v1(11.7,19.6) 12.22,19.6
Net-(U33-FB): length 5.7
  Top w0.11: C176.1 8.08,5.62 8.2,5.5 8.2,3.7 8.09,3.59 R116.1 R117.2 7.86,2.35 9.16,2.35
Net-(U33-SW): length 2.8
  Top w0.5: U33.3 11.15,4.15 10.28,5.03 L3.1
Net-(X1-OUT): length 1.8
  Top w0.11: R105.1 4.05,47.5 X1.3

## Copper pours and planes (outline as drawn; the poured copper is in the pictures)
+1V0_PL on Top: 12.45,57.8 11.9,57.8 11.9,56.9 11.28,56.28 8.85,56.28 8.62,56.05 8.62,55.08 8.18,54.62 8.18,53.93 8.35,53.75 11.78,53.75 12.45,54.43
+1V0_PL on In2.Cu: 6.9,56 6.9,54.6 9.5,52 9.5,46.2 7.3,44 7.3,38 8.7,36.6 13.9,36.6 14.5,37.2 14.5,38.6 13.7,39.4 10.3,39.4 9.1,40.6 9.1,42.2 11.9,45 11.9,52.8 8.5,56.2 7.1,56.2
+1V0_PS on Top: 5,57.8 5,56.6 4.57,56.18 2.12,56.18 2.12,55.28 2.85,54.55 6.18,54.55 6.4,54.78 6.4,55.48 5.55,56.33 5.55,57.8
+1V0_PS on In2.Cu: 15.3,34 15.3,33.2 14.9,32.8 8.5,32.8 8.1,33.2 8.1,34.4 4.5,38 4.5,46.6 7.9,50 7.9,51.6 6.1,53.4 4.9,53.4 4.1,54.2 4.1,55.8 4.7,56.4 6.3,56.4 6.7,56 6.7,54.6 9.3,52 9.3,46.4 7.1,44.2 7.1,38 8.7,36.4 12.9,36.4
+1V8 on In3.Cu: 57.1,55 56.1,56 14.5,56 12.7,54.2 12.7,41.4 8.9,37.6 5.9,37.6 4.1,35.8 4.1,33.8 4.3,33.6 4.9,33.6 5.7,34.4 13.9,34.4 19.3,39.8 19.3,44.6 15.3,48.6 15.3,52.6 16.5,53.8 20.1,53.8 20.9,53 56.1,53 57.1,54
+1V35 on In3.Cu: 18.5,32.8 20.9,30.4 20.9,18 18.5,15.6 18.5,13.8 17.9,13.2 16.5,13.2 15.5,12.2 15.5,10.2 14.1,8.8 10.3,8.8 8.5,10.6 3.5,10.6 0.9,13.2 0.9,29.8 3.9,32.8
+3V3 on Top: 12.65,58.55 10.9,58.55 10.9,59.25 12.65,59.25
+3V3 on Top: 5.75,58.55 4,58.55 4,59.25 5.75,59.25
+3V3 on In3.Cu: 61.3,51.4 61.3,57.8 59.9,59.2 5.1,59.2 -0.3,53.8 -0.3,-0.4 17.3,-0.4 17.9,0.2 17.9,31 20.5,33.6 20.5,45.6 18.9,47.2 18.9,48 19.5,48.6 58.5,48.6
GND on Top: 13.45,60.05 13.45,59.35 11.32,59.35 10.65,60.03 10.43,60.03 10.43,60.85 11.8,60.85 12.25,60.4 12.25,60.25 12.15,60.15 11.82,60.15 11.68,60.3 11.45,60.3 11.32,60.18 11.32,59.83 11.47,59.68 12.35,59.68 12.35,60.05
GND on Top: 6.55,60.05 6.55,59.35 4.43,59.35 3.75,60.03 3.53,60.03 3.53,60.85 4.9,60.85 5.35,60.4 5.35,60.25 5.25,60.15 4.93,60.15 4.78,60.3 4.55,60.3 4.43,60.18 4.43,59.83 4.6,59.65 5.45,59.65 5.45,60.05
GND on Top, Bottom, In1.Cu, In2.Cu, In3.Cu, In4.Cu: 9.5,65.5 84.9,65.5 80.5,-3.4 -2.3,-4 -1.7,63.4
Net-(L1-Pad1) on Top: 5.85,59.25 5.85,58.18 6.45,57.58 6.45,56.2 7,56.2 7,58.25 6.55,58.7 6.55,59.25
Net-(L2-Pad1) on Top: 12.75,59.25 12.75,58.18 13.35,57.58 13.35,56.2 13.9,56.2 13.9,58.25 13.45,58.7 13.45,59.25

## Text on the board
User.Drawings: ͼֽ 1 (\U+51711) | ǩ\U+540D | A4 | A | D | F | C | B | E | 4 | 3 | 2 | 1 | front
F.Silkscreen: Yukidamayaki | r0.12-B | Wenting 和光 | 雪玉焼 | Sitina1
